# Altium PCB SVEC.pcbdoc (part 14 of 18)
Units mil, origin at the board's own origin, x right, y up, seen from the top; angles counter-clockwise.
Board outline 6349.25 x 9237.04 mil, 10 copper layers (Top Layer, L2 GND, L3, L4 PWR3.3, L5, L6, L7 GND, L8, L9 PWR, Bottom Layer), stack 58.268 mil thick; 906 components, 904 nets, 4753 pads, 3116 vias.
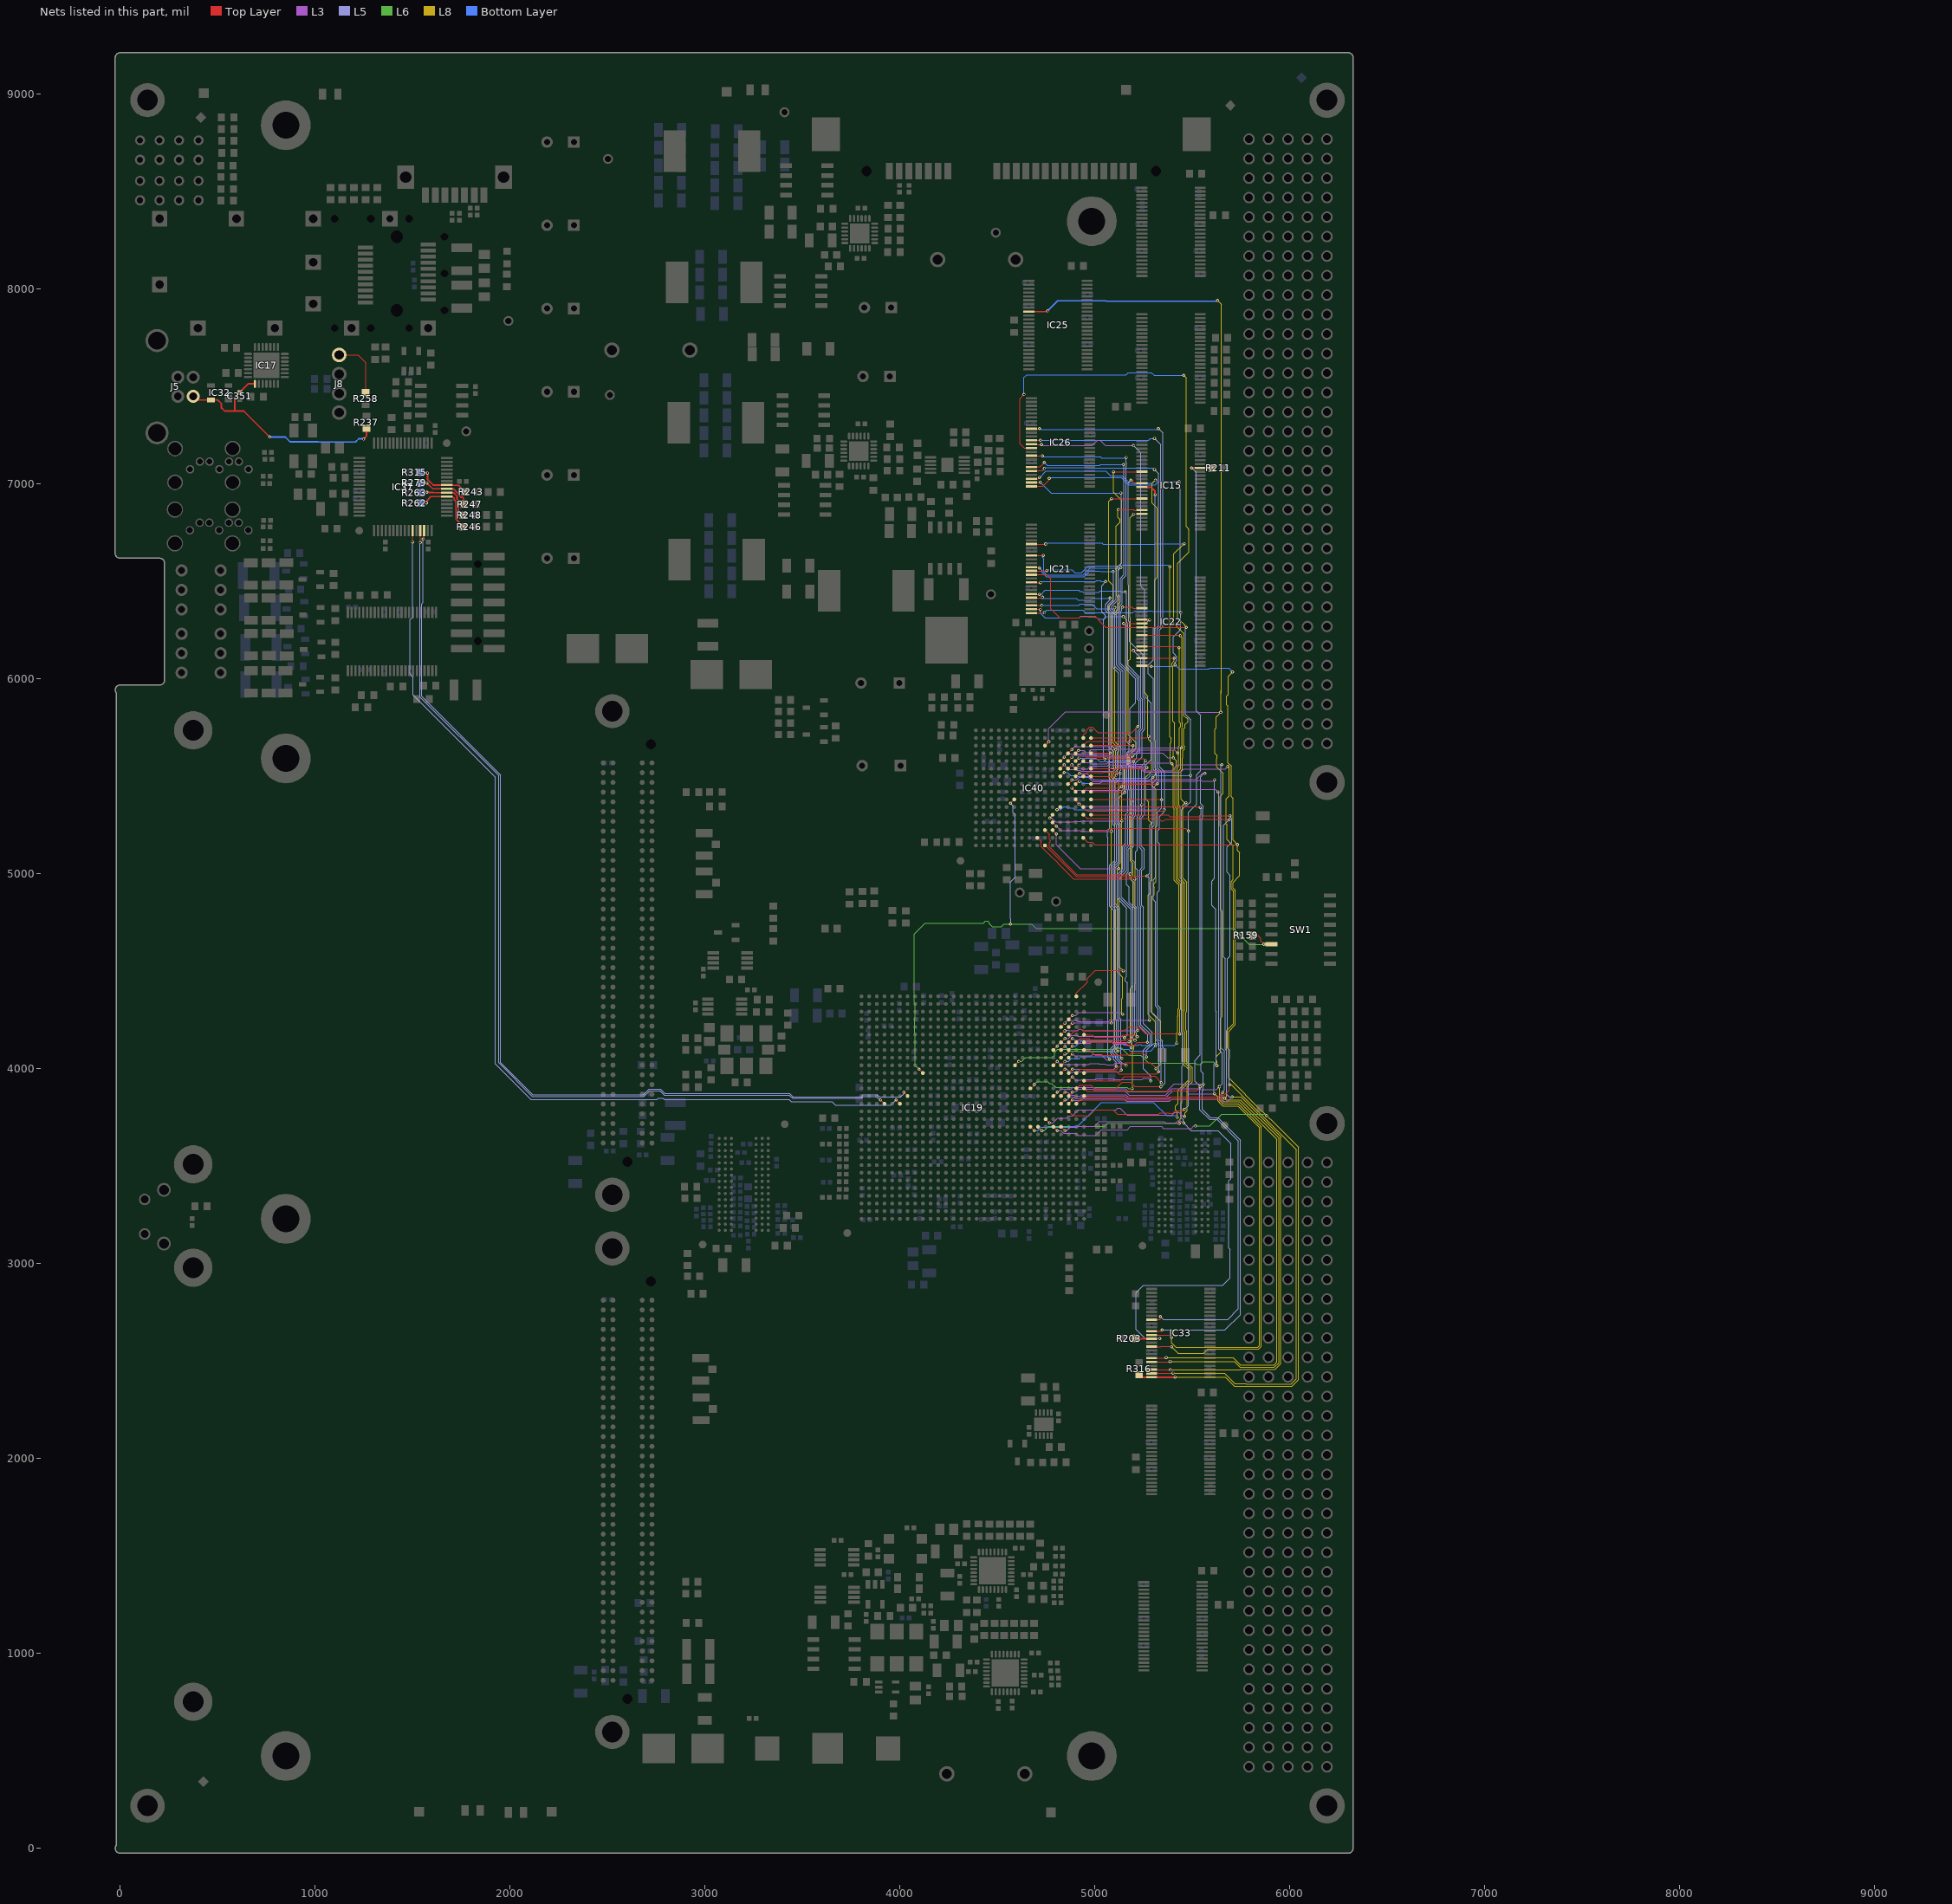
[diagram p22: the nets of this part, all layers, seen from the top]

## Via types
v1: diameter 15.75, hole 7.87, Top Layer to Bottom Layer, tented both sides, 2844 vias
v2: diameter 31.5, hole 15.75, Top Layer to Bottom Layer, tented both sides, 224 vias
v3: diameter 19.68, hole 7.87, Top Layer to Bottom Layer, tented both sides, 31 vias
v4: diameter 15.75, hole 7.87, Top Layer to Bottom Layer, 17 vias

## Nets (pads, with @x,y where several pads share a name; then routed paths per layer and width w, separated by ;. In a path a pad name is that pad's centre, name@x,y a point inside that pad or via, vN(x,y) a via of type N, cw(c..) or ccw(c..) an arc to the next point about the centre after c; other vN are vias at no path point) (continued)
USB_SIWUA: IC19.U24 IC37.30 | length 5117.8
  Top Layer w5: v1(1554.55,6717.51) 1555.55,6717.51 1559.25,6721.21 IC37.30@1559.25,6760.1 ; v1(4019.22,3879.25) IC19.U24@4038.91,3859.56
  L5 w4: v1(1554.55,6717.51) 1554.55,6391.83 1547.18,6384.46 1547.18,5910.65 1951.55,5506.28 1951.55,4031.88 2116.93,3866.51 2684.19,3866.51 2712.69,3895 2771.82,3895 2793.95,3872.87 3434.21,3872.87 3451.31,3855.77 3801.57,3855.77 3811.18,3865.38 3812.32,3866.51 3882.92,3866.51 3894.92,3854.51 4002.55,3854.51 4019.22,3871.17 v1(4019.22,3879.25)
USB_TCK: IC37.38 R246.1 R262.1 | length 362.3
  Top Layer w8: v1(1570.69,6902.64) 1570.69,6911.29 1594.69,6935.29 IC37.38@1675.4,6935.29 1703.87,6935.29 1713.92,6925.24 1713.92,6919.14 1723.34,6909.72 1723.34,6819.82 1759.06,6784.1 R246.1@1759.06,6779.51
  Bottom Layer w8: R262.1@1541.18,6901.64 1569.69,6901.64 1570.69,6900.64 v1(1570.69,6902.64)
USB_TDI: IC37.39 R248.1 R263.1 | length 306.8
  Top Layer w8: v1(1573.69,6956.64) 1604.03,6956.64 1605.69,6954.98 IC37.39@1675.4,6954.98 1711.08,6954.98 1728.34,6937.72 1728.34,6923.1 1736.34,6915.1 1736.34,6862.22 R248.1@1759.06,6839.51
  Bottom Layer w8: R263.1@1541.18,6954.64 1569.69,6954.64 1571.69,6956.64 v1(1573.69,6956.64)
USB_TDO: IC37.40 R247.1 R279.1 | length 287.6
  Top Layer w8: v1(1573.69,7004.64) 1603.66,6974.66 1614.69,6974.66 IC37.40@1675.4,6974.66 1709.78,6974.66 1742.34,6942.1 1742.34,6936.51 1747.03,6931.82 1755.51,6931.82 1762.34,6924.99 1762.34,6896.22 R247.1@1763.06,6895.51
  Bottom Layer w8: R279.1@1541.18,7005.64 1572.69,7005.64 v1(1573.69,7004.64)
USB_TMS: IC37.41 R243.1 R315.1 | length 286.9
  Top Layer w8: v1(1576.69,7055.64) 1576.69,7023.64 1579.81,7020.51 1580.26,7020.51 1589.56,7011.22 1589.56,7010.77 1605.98,6994.35 IC37.41@1675.4,6994.35 1677.44,6992.3 1735.26,6992.3 R243.1@1768.06,6959.51
  Bottom Layer w8: R315.1@1541.18,7058.64 1573.69,7058.64 v1(1576.69,7055.64)
USB_TXE_N: IC19.T25 IC37.27 | length 5108.3
  Top Layer w5: v1(1499.55,6702.51) 1500.2,6703.15 IC37.27@1500.2,6760.1 ; v1(3979.85,3839.88) IC19.T25@3999.54,3820.19
  L5 w4: v1(1499.55,6702.51) 1499.55,6315.83 1487.18,6303.46 1487.18,6024.21 1502.93,6008.46 1502.93,5916.72 1924.55,5495.09 1924.55,4024.94 2107.1,3842.39 2753.14,3842.39 2759.63,3848.87 2784.37,3848.87 2790.86,3842.39 3430.75,3842.39 3441.37,3831.77 3652.18,3831.77 3669.94,3814 3953.97,3814 v1(3979.85,3839.88)
USB_VBUS: C351.1 IC17.8 IC32.4 J5.1 R237.1 | length 1256.2
  Top Layer w8: J5.1@374.92,7449.29 393.98,7430.24 IC32.4@465.41,7430.24 501.09,7430.24 519.69,7411.64 519.69,7389.64 535.69,7373.64 586.69,7373.64 ; IC17.8@691.63,7513.15 656.2,7513.15 613.69,7470.64 C351.1@613.69,7467.36 613.4,7467.36 587.69,7441.65 587.69,7374.64 586.69,7373.64 ; v1(767.55,7240.51) 634.42,7373.64 586.69,7373.64 ; v1(1248.55,7229.51) 1263.55,7244.51 R237.1@1263.55,7284.01
  Bottom Layer w8: v1(767.55,7240.51) 847.82,7240.51 872.69,7215.64 1014.69,7215.64 1015.69,7214.64 1206.82,7214.64 1223.69,7231.51 1246.55,7231.51 v1(1248.55,7229.51)
USB_VBUS_INT: J8.4 R258.1 | length 304.9
  Top Layer w5: J8.4@1123.69,7661.28 1220.05,7661.28 1259.69,7621.64 R258.1@1259.69,7469.14
USB_WR_N: IC19.T27 IC37.29 | length 4996.1
  Top Layer w5: v1(1539.55,6698.51) IC37.29@1539.57,6760.1 ; v1(3901.11,3839.88) IC19.T27@3920.8,3820.19
  L5 w4: v1(1539.55,6698.51) 1538.18,6697.13 1538.18,5906.92 1941.55,5503.55 1941.55,4030.56 2113.61,3858.51 2687.51,3858.51 2716,3887 2768.51,3887 2790.63,3864.87 3430.89,3864.87 3448,3847.77 3804.88,3847.77 3814.49,3857.38 3815.63,3858.51 3879.61,3858.51 3898.24,3839.88 v1(3901.11,3839.88)
USEGA: IC19.Y22 IC40.G11 R159.1 SW1.6 | length 3412.5
  Top Layer w5: v1(4097.96,3997.36) IC19.Y22@4117.65,3977.67 ; v1(4566.44,5361.76) IC40.G11@4586.13,5381.45 ; R159.1@5807.05,4683.51 5834.55,4683.51 5850.55,4667.51 5850.55,4654.51 v1(5866.55,4638.51) SW1.6@5905.95,4638.51
  L6 w4: v1(4097.96,3997.36) 4078.55,4016.77 4078.55,4182.68 4076.09,4185.15 4076.09,4259.46 4078.3,4261.67 4078.3,4335.82 4072.68,4341.45 4072.68,4689.63 4129.68,4746.63 4428.06,4746.63 4438.81,4757.38 4450.3,4757.38 4458.43,4749.25 4458.43,4743.63 4474.43,4727.63 4520.3,4727.63 4534.17,4741.51 v1(4566.55,4741.51) 4674.55,4741.51 4697.55,4718.51 5711.55,4718.51 5791.55,4638.51 v1(5866.55,4638.51)
  L5 w4: v1(4566.55,4741.51) 4568.43,4743.38 4568.43,4768.25 4567.68,4769 4567.68,4957.63 4590.95,4980.9 4590.95,5303.11 4580.82,5313.24 4580.82,5317.51
  L5 w5: v1(4566.44,5361.76) 4580.82,5347.39 4580.82,5317.51
VME_A1: IC19.AE3 IC22.22 IC40.M4 | length 3307.8
  Top Layer w5: IC40.M4@4861.72,5578.3 v1(4881.41,5597.99) ; IC19.AE3@4865.68,4174.52 4877.57,4174.52 4897.55,4194.51 4911.23,4194.51 4918.73,4202.01 4930.64,4202.01 4938.15,4194.51 5151.67,4194.51 5170.04,4212.88 5226.92,4212.88 5260.92,4178.88 v1@5434.93,4178.88 ; IC22.22@5240.95,6106.5 v1(5406.55,6106.51)
  L3 w4: 4888.19,5602.98 4892.59,5607.38 4924.3,5607.38 4927.8,5603.88 5056.92,5603.88 5066.67,5594.13 5161.44,5594.13 5187.19,5619.88 5347.18,5619.88 5372.55,5594.51 v1(5402.55,5594.51)
  L8 w4: v1@5407.7,6105.36 5407.7,6092.39 5395.18,6079.87 5395.18,6067.14 5400.55,6061.76 5400.55,5781 5409.18,5772.37 5409.18,5640.13 5402.55,5633.51 v1(5402.55,5594.51) 5418.55,5578.51 5418.55,5554.65 5411.18,5547.27 5411.18,5341.57 5417.18,5335.57 5417.18,4969.32 5440.93,4945.58 5440.93,4307.02 5435.93,4302.02 5435.93,4266.85 5434.93,4265.85 5434.93,4178.88 v1(5435.93,4177.88)
VME_A2: IC19.AE1 IC22.20 IC40.M3 | length 2698.4
  Top Layer w5: IC40.M3@4901.09,5578.3 4903.35,5578.3 v1(4918.55,5593.51) ; IC19.AE1@4944.42,4174.52 4946.62,4172.32 4986.86,4172.32 4996.86,4162.32 5133.63,4162.32 5145.19,4173.88 5207.18,4173.88 v1(5216.55,4164.51) ; v1@5203.92,6145.87 IC22.20@5240.95,6145.87
  L5 w5: v1(5196.55,6145.51) 5236.55,6105.51 5236.55,5902.55 5244.93,5894.18 5244.93,5745 5231.18,5731.25 5231.18,5626.87 5214.18,5609.87 5214.18,5592.42 5199.93,5578.16 5199.93,5304.47 5188.18,5292.73 5188.18,5144.14 5171.18,5127.14 5171.18,5009.46 5161.18,4999.46 5161.18,4944.21 5174.93,4930.46 5174.93,4852.36 5205.93,4821.36 5205.93,4435.64 5205.18,4434.89 5205.18,4191.14 5212.55,4183.76 5212.55,4166.51 5214.55,4164.51 v1(5216.55,4164.51)
  Bottom Layer w5: v1(4918.55,5593.51) 5005.55,5593.51 5024.93,5574.13 5089.18,5574.13 5093.55,5578.51 5196.55,5578.51 5197.55,5577.51 v1(5197.55,5575.51)
VME_A3: IC19.N8 IC22.19 IC40.M5 | length 4153.8
  Top Layer w5: IC19.N8@4668.83,3702.08 v1(4688.51,3682.4) ; IC40.M5@4822.35,5578.3 v1(4842.04,5597.99) ; IC22.19@5240.95,6165.55 5424.51,6165.55
  L3 w4: v1(4842.04,5597.99) 4859.43,5615.38 4947.65,5615.38 4949.15,5613.88 ; 4950.05,5612.98 5064.33,5612.98 5073.19,5604.13 5157.3,5604.13 5183.04,5629.88 5230.44,5629.88 5235.81,5635.25 5409.81,5635.25 v1@5425.05,5620.01
  L8 w4: v1(5421.55,3751.51) 5421.55,3778.62 5412.18,3788 5412.18,3809.02 5425.55,3822.39 5425.55,3888.36 5478.93,3941.74 5478.93,3996.87 5451.3,4024.5 5451.3,4184.25 5445.93,4189.62 5445.93,4297.87 5450.93,4302.87 5450.93,4949.72 5427.18,4973.47 5427.18,5339.71 5421.18,5345.71 5421.18,5543.13 5428.55,5550.51 5428.55,5617.51 v1@5428.18,5617.88 ; v1@5428.18,5619.51 5428.18,5651.87 5432.55,5656.25 5432.55,5748.76 5439.93,5756.14 5439.93,5770 5432.55,5777.37 v1@5432.55,6157.51
  Bottom Layer w5: v1(4688.51,3682.4) 4706.14,3682.39 4723.63,3699.88 4907.56,3699.88 5034.18,3826.51 5300.55,3826.51 5368.18,3758.88 5412.18,3758.88 5421.55,3749.51 v1(5421.55,3751.51)
  other v1: 5424.55,5619.51 5430.55,6159.51
VME_A4: IC19.N7 IC22.16 IC40.N4 | length 4113.1
  Top Layer w5: IC19.N7@4708.2,3702.08 v1(4727.88,3682.4) ; IC40.N4@4861.72,5617.67 v1(4881.41,5637.36) ; IC22.16@5240.95,6224.61 v1@5438.35,6224.61
  L3 w4: v1(4881.41,5637.36) 4896.78,5652.73 5112.07,5652.73 5124.92,5639.88 5226.3,5639.88 5231.67,5645.25 5443.3,5645.25 v1(5444.55,5646.51)
  L6 w4: v1(4727.88,3682.4) 4740.44,3682.39 4761.55,3703.51 5048.81,3703.51 5064.19,3718.88 5431.93,3718.88 v1(5432.55,3719.51)
  L8 w4: v1(5432.55,3719.51) 5432.55,3735.36 5442.93,3745.74 5442.93,3891.6 5488.93,3937.6 5488.93,4001.02 5461.3,4028.64 5461.3,4188.39 5455.93,4193.76 5455.93,4293.73 5460.93,4298.73 5460.93,4953.86 5437.18,4977.61 5437.18,5343.85 5431.18,5349.85 5431.18,5530.65 5439.18,5538.65 5439.18,5597.02 5440.71,5598.54 5440.71,5642.66 v1(5444.55,5646.51) ; v1@5442.55,5645.51 5445.93,5648.88 5445.93,5748 5449.93,5752 5449.93,5774.14 5445.55,5778.51 5445.55,5791.25 5445.93,5791.62 5445.93,6214.13 v1@5442.55,6217.51
  other v1: 5438.35,6221.71
VME_A5: IC19.AC5 IC22.13 IC40.R2 | length 3173.5
  Top Layer w5: IC19.AC5@4786.94,4095.78 v1(4806.62,4115.47) 4806.55,4115.54 v1@4806.55,4117.51 ; IC40.R2@4940.46,5696.41 4940.46,5711.26 4957.8,5728.6 4957.8,5738.28 4972.65,5753.12 4987.01,5753.12 5015.63,5724.51 5188.55,5724.51 v1(5219.55,5755.51) ; v1(5147.55,6283.51) 5240.79,6283.51 IC22.13@5240.95,6283.66
  L3 w4: v1@4806.55,4117.51 4818.89,4129.84 4975.55,4129.84 4983.08,4137.38 5087.3,4137.38 5098.8,4125.88 5158.17,4125.88 5163.54,4120.51 5172.55,4120.51 v1(5186.55,4106.51) ; 4854.74,4130.46 4878.62,4130.46
  L5 w5: v1(5147.55,6283.51) 5158.18,6272.88 5158.18,6066.07 5218.55,6005.7 5218.55,5895.1 5225.93,5887.72 5225.93,5761.88 v1(5219.55,5755.51) ; v1(5186.55,4106.51) 5189.93,4109.88 5189.93,4143.87 5186.93,4146.87 5186.93,4814.9 5125.18,4876.65 5125.18,4993.16 5151.18,5019.16 5151.18,5135.43 5168.18,5152.43 5168.18,5301.01 5178.93,5311.76 5178.93,5428.91 5174.18,5433.66 5174.18,5606.87 5211.18,5643.87 5211.18,5746.51 v1@5220.18,5755.51
VME_A6: IC19.AC4 IC22.12 IC40.R1 | length 3132.7
  Top Layer w5: IC19.AC4@4826.31,4095.78 v1(4846,4115.47) ; IC40.R1@4979.83,5696.41 5266.46,5696.41 v1(5274.55,5704.51) ; IC22.12@5239.79,6304.51 IC22.12@5240.95,6303.35 5241.79,6302.51 v1@5277.55,6302.51
  L8 w4: v1@5277.55,6302.51 5255.18,6280.13 5255.18,6196.02 5252.58,6193.42 5252.58,5930.5 5271.93,5911.16 5271.93,5701.88 v1(5274.55,5704.51) 5274.55,5687.51 5290.93,5671.13 5290.93,5524.76 5260.55,5494.39 5260.55,5383.53 5275.93,5368.16 5275.93,5274.87 5292.55,5258.25 5292.55,4967.53 5281.18,4956.16 5281.18,4924.76 5283.93,4922.02 5283.93,4901 5274.18,4891.25 5274.18,4276.62 5311.55,4239.25 v1(5311.55,4116.51)
  Bottom Layer w5: v1(4846,4115.47) 4862.58,4098.88 4872.88,4098.88 4873.47,4099.47 4931.52,4099.47 4940.66,4090.32 5088.63,4090.32 5104.19,4105.88 5123.92,4105.88 5130.92,4098.88 5172.44,4098.88 5180.19,4091.13 5286.18,4091.13 v1(5311.55,4116.51)
  other v1: 5280.69,6302.64
VME_A7: IC19.AD4 IC22.9 IC40.P2 | length 3018
  Top Layer w5: IC19.AD4@4826.31,4135.15 v1(4846,4154.84) ; IC40.P2@4940.46,5657.04 4962.49,5679.07 v1@5179.12,5679.07 ; v1(5142.55,6367.51) 5190.45,6367.51 5195.55,6362.4 IC22.9@5240.95,6362.4 IC22.9@5239.85,6363.51
  L3 w4: v1(4846,4154.84) 4863.62,4154.84 4879,4170.21 4908.04,4170.21 4912.49,4165.77 4933.75,4165.77 4934.61,4166.63 5143.43,4166.63 v1(5151.55,4158.51)
  L5 w5: v1(5142.55,6367.51) 5136.93,6361.88 5136.93,6350.85 5130.18,6344.11 5130.18,6079.93 5209.55,6000.56 5209.55,5877.83 5180.55,5848.83 v1(5180.55,5680.51) 5174.93,5674.88 5174.93,5631.91 5165.18,5622.16 5165.18,5429.93 5168.93,5426.18 5168.93,5315.9 5158.18,5305.15 5158.18,5156.57 5141.18,5139.57 5141.18,5023.3 5115.18,4997.3 5115.18,4872.51 5163.18,4824.51 5163.18,4471.87 5155.18,4463.87 5155.18,4451.14 5165.93,4440.39 5165.93,4172.88 v1(5151.55,4158.51)
VME_A8: IC19.AD3 IC21.23 IC40.P1 | length 3311.6
  Top Layer w5: IC21.23@4673.95,6356.81 v1@4718.86,6356.81 ; IC19.AD3@4865.68,4135.15 v1(4885.37,4154.84) ; IC40.P1@4979.83,5657.74 IC40.P1@4979.83,5657.04 4981.29,5658.51 v1@5194.55,5658.51
  L3 w4: v1(4885.37,4154.84) 4894.82,4145.38 5090.61,4145.38 5100.11,4135.88 5172.93,4135.88 v1(5174.55,4137.51)
  L8 w4: v1(5145.55,6318.51) 5162.93,6301.13 5162.93,6277.14 5162.18,6276.39 5162.18,5677.14 5181.81,5657.51 v1(5195.55,5657.51) 5195.55,5642.39 5168.18,5615.02 5168.18,5559.93 5189.55,5538.56 5189.55,5380.82 5182.18,5373.44 5182.18,5066.31 5195.93,5052.56 5195.93,4992.14 5188.18,4984.39 5188.18,4966.62 5195.93,4958.87 5195.93,4426.01 5181.37,4411.45 5181.37,4144.32 v1(5174.55,4137.51)
  Bottom Layer w5: v1@4718.69,6355.64 4720.69,6353.64 4720.69,6336.63 4744.19,6313.13 4920.51,6313.13 4928.51,6321.13 4962.32,6321.13 4964.95,6318.51 5002.23,6318.51 5005.18,6315.55 5005.18,6314.55 5006.85,6312.88 5012.51,6312.88 5020.26,6305.13 5045.51,6305.13 5058.88,6318.51 v1(5145.55,6318.51)
  other v1: 4720.55,6355.51
VME_A9: IC19.AB4 IC21.22 IC40.N3 | length 3289.2
  Top Layer w5: IC21.22@4673.95,6376.5 v1(4727.55,6376.51) ; IC19.AB4@4826.31,4056.41 v1(4846,4076.1) 4845.55,4076.54 v1@4845.55,4077.51 ; IC40.N3@4901.09,5617.67 v1(4915.55,5632.14)
  L3 w4: v1(4915.55,5632.14) 4944.33,5632.14 4953.98,5622.48 4966.31,5622.48 4980.33,5636.51 v1(5106.55,5636.51)
  L6 w4: v1@4845.55,4077.51 4857.69,4077.51 4870.15,4089.97 4908.6,4089.97 4909.69,4088.88 5115.93,4088.88 v1(5117.55,4090.51)
  L8 w4: v1(5101.55,6365.51) 5102.18,6364.88 5102.18,6353.44 5082.18,6333.44 5082.18,5658.94 5105.93,5635.19 5105.93,5538.14 5084.18,5516.39 5084.18,5495 5102.18,5477 5102.18,4105.88 v1(5117.55,4090.51)
  Bottom Layer w5: v1(4727.55,6376.51) 4916.81,6376.51 4924.19,6383.88 4983.44,6383.88 5008.77,6358.55 5094.6,6358.55 v1(5101.55,6365.51)
VME_A10: IC19.AB3 IC21.20 IC40.N1 | length 3174.9
  Top Layer w5: IC21.20@4673.95,6415.87 4727.92,6415.87 v1(4730.55,6418.51) ; IC19.AB3@4865.68,4056.41 v1(4885.37,4076.1) 4885.55,4075.91 v1@4885.55,4073.51 ; IC40.N1@4979.83,5617.67 4981.66,5619.51 v1(5079.55,5619.51)
  L3 w4: v1@4885.55,4073.51 4885.55,4075.91 4895.58,4065.88 4982.87,4065.88 4989.5,4072.51 5032.7,4072.51 5060.7,4044.51 5079.55,4044.51 v1(5075.55,4048.51)
  L5 w5: v1(5075.55,4048.51) 5066.93,4057.13 5066.93,5183.44 5065.18,5185.19 5065.18,5221.87 5075.18,5231.87 5075.18,5615.13 v1(5079.55,5619.51) 5072.93,5626.13 5072.93,6331.92 5056.18,6348.66 5056.18,6384.3 5077.55,6405.67 v1(5077.55,6414.51)
  Bottom Layer w5: v1(4730.55,6418.51) 4725.55,6413.51 4903.81,6413.51 4914.19,6403.13 4978.55,6403.13 4988.55,6413.13 5078.93,6413.13 v1(5077.55,6414.51)
VME_A11: IC19.AD2 IC21.19 IC40.M2 | length 3472.5
  Top Layer w5: IC21.19@4673.95,6435.55 4676,6433.51 v1(4715.55,6433.51) ; IC19.AD2@4905.05,4135.15 4924.74,4154.84 4968.55,4154.84 4976.51,4146.88 5091.24,4146.88 5094.98,4143.13 5158.44,4143.13 5168.19,4152.88 5198.18,4152.88 v1(5205.55,4145.51) ; IC40.M2@4940.46,5578.3 4960.66,5598.51 5038.81,5598.51 5044.19,5603.88 5182.55,5603.88 5183.18,5604.51 v1(5193.55,5604.51)
  L5 w5: v1(5155.55,6445.51) 5163.18,6437.88 5163.18,6289.85 5168.18,6284.85 5168.18,6070.22 5227.55,6010.84 5227.55,5898.82 5234.93,5891.45 5234.93,5749.14 5221.18,5735.39 5221.18,5631.02 v1@5199.42,5609.26 ; v1@5191.34,5600.04 5183.18,5591.88 5183.18,5437.39 5189.93,5430.64 5189.93,5308.62 5178.18,5296.87 5178.18,5148.29 5161.18,5131.29 5161.18,5015.02 5135.18,4989.02 5135.18,4879.38 5195.93,4818.63 5195.93,4153.13 5203.55,4145.51 v1(5205.55,4145.51)
  Bottom Layer w5: 4723.81,6433.51 4744.19,6453.88 4916.92,6453.88 4922.3,6448.51 4935.82,6448.51 4938.53,6445.8 ; 4939.14,6445.8 4941.06,6443.88 5020.55,6443.88 5026.55,6449.88 5131.18,6449.88 5135.55,6445.51 v1(5155.55,6445.51)
VME_A12: IC19.AD1 IC21.16 IC40.M1 | length 3447.6
  Top Layer w5: IC21.16@4673.95,6494.61 4675.05,6493.51 v1(4720.55,6493.51) ; IC19.AD1@4944.42,4135.15 4947.15,4137.88 5087.51,4137.88 5094.7,4130.69 5159.63,4130.69 5168.19,4122.13 5203.92,4122.13 5217.67,4135.88 5268.18,4135.88 v1(5268.55,4135.51) ; IC40.M1@4979.83,5578.3 4990.03,5588.51 v1(5050.55,5588.51) 5051.93,5589.88 5251.18,5589.88 v1(5260.55,5580.51)
  L5 w5: v1(5050.55,5588.51) 5044.93,5594.13 5044.93,6304.55 5053.93,6313.55 5053.93,6325.46 5035.18,6344.21 5035.18,6478.13 v1(5055.55,6498.51) ; v1(5260.55,5580.51) 5260.55,5583.51 5255.13,5578.08 5255.13,5568.96 5225.18,5539.02 5225.18,5301.44 5218.18,5294.44 5218.18,5122.87 5208.18,5112.87 5208.18,5029.03 5220.93,5016.28 5220.93,4831.81 5225.93,4826.81 5225.93,4220.13 5270.93,4175.13 5270.93,4137.88 v1(5268.55,4135.51)
  Bottom Layer w5: v1(4720.55,6493.51) 4725.55,6498.51 5003.81,6498.51 5009.19,6503.88 5025.55,6503.88 5030.93,6498.51 v1(5055.55,6498.51)
VME_A13: IC19.AC3 IC21.13 IC40.L3 | length 4318.9
  Top Layer w5: IC21.13@4673.95,6553.66 4674.48,6553.13 v1@4751.18,6553.13 ; IC19.AC3@4865.68,4095.78 v1@4884.98,4115.08 ; IC40.L3@4901.09,5538.93 v1(4918.55,5556.4)
  L3 w4: v1(4918.55,5556.4) 4932.04,5569.88 4972.81,5569.88 4978.55,5564.13 ; 4978.55,5563.13 5061.06,5563.13 5067.81,5569.88 5183.56,5569.88 5191.81,5561.63 5263.42,5561.63 5269.92,5568.13 v1@5390.93,5568.13
  L5 w5: v1@5393.55,5565.51 v1(5395.55,5563.51)
  L8 w4: v1(5383.55,6574.51) 5385.18,6572.88 5385.18,5701.76 5391.93,5695.02 5391.93,5674 5386.55,5668.62 5386.55,5572.51 v1(5395.55,5563.51) 5401.18,5557.88 5401.18,5337.43 5407.18,5331.43 5407.18,4965.18 5430.93,4941.43 5430.93,4311.16 5425.93,4306.16 5425.93,4271 5424.93,4270 5424.93,4188.62 5420.55,4184.25 v1(5420.55,4131.51)
  Bottom Layer w5: v1@4756.55,6558.51 4882.81,6558.51 4898.19,6543.13 4931.92,6543.13 4967.67,6578.88 5121.19,6578.88 5127.19,6584.88 5373.18,6584.88 v1(5383.55,6574.51) ; v1@4885.55,4114.51 4902.03,4114.51 4930.22,4142.69 5082.7,4142.69 5094.55,4130.84 5140.48,4130.84 5149.44,4121.88 5192.92,4121.88 ; 5194.67,4120.13 5220.85,4120.13 5224.6,4123.88 5236.51,4123.88 5240.26,4120.13 5293.44,4120.13 5305.19,4131.88 5317.92,4131.88 5329.67,4120.13 5409.18,4120.13 v1(5420.55,4131.51)
  other v1: 4885.37,4115.47 4753.55,6555.51
VME_A14: IC19.AC1 IC21.12 IC40.L1 | length 3638.2
  Top Layer w5: IC21.12@4673.95,6573.35 4674.11,6573.51 v1@4710.55,6573.51 ; IC19.AC1@4944.42,4095.78 4974.2,4095.78 5000.66,4069.32 5134.04,4069.32 5135.23,4070.51 5177.18,4070.51 5185.55,4078.88 5246.18,4078.88 v1(5264.55,4060.51) ; IC40.L1@4979.83,5538.93 4980.26,5538.51 v1@5090.55,5538.51 ; 5096.55,5538.93 v1@5260.98,5538.93
  L5 w5: v1@5094.93,5544.51 5094.93,5626.39 5091.18,5630.14 5091.18,5633.64 5085.18,5639.64 5085.18,6332.39 5066.18,6351.39 5066.18,6380.16 5094.93,6408.91 v1@5094.93,6548.13 ; v1(5264.55,4060.51) 5264.55,4095.62 5293.93,4125 5293.93,4186.13 5249.55,4230.51 5249.55,4828.64 5240.93,4837.27 5240.93,5016.28 5252.93,5028.28 5252.93,5127.16 5238.18,5141.91 5238.18,5286.16 5255.93,5303.91 5255.93,5533.88 v1@5265.18,5543.13 ; v1@5265.18,5543.51 v1@5265.18,5543.13 ; v1(5265.55,5543.51) v1@5265.18,5543.13
  Bottom Layer w5: v1(4715.55,6568.51) 4728.18,6555.88 4728.18,6545 4750.04,6523.13 4943.46,6523.13 4972.38,6552.05 5027.55,6552.05 5030.1,6549.51 v1(5093.55,6549.51)
  other v1: 5090.55,5544.51
VME_A15: IC19.Y4 IC21.9 IC40.K2 | length 3773.9
  Top Layer w5: IC21.9@4673.95,6632.4 4734.45,6632.4 v1(4735.55,6633.51) ; IC19.Y4@4826.31,3977.67 4845.55,3996.92 v1@4845.55,3995.51 ; IC40.K2@4940.46,5499.56 4959.4,5518.51 5041.55,5518.51 5043.93,5520.88 5124.18,5520.88 v1(5129.55,5515.51)
  L3 w5: v1(4846,3997.36) 4854.97,3997.36 4869.35,3982.98 4891.32,3982.98 4892.47,3984.13 5126.18,3984.13 v1(5134.69,3992.64)
  L5 w5: v1(5133.55,6569.51) 5120.18,6556.13 5120.18,6405.87 5086.18,6371.87 5086.18,6359.14 5103.18,6342.14 5103.18,6064.51 5133.55,6034.13 5133.55,5533.51 5129.55,5529.51 v1(5129.55,5515.51) 5129.55,5489.51 5103.69,5463.64 5103.69,5256.64 5110.69,5249.64 5110.69,5064.64 5085.69,5039.64 5085.69,4836.64 5106.69,4815.64 5106.69,4253.64 5110.69,4249.64 5110.69,4119.58 5091.69,4100.58 5091.69,4079.64 5105.69,4065.64 5105.69,4050.64 5134.69,4021.64 v1(5134.69,3992.64)
  Bottom Layer w5: v1(4735.55,6633.51) 4730.55,6628.51 4730.55,6623.51 4738.18,6615.88 4738.18,6549.14 4754.19,6533.13 4939.32,6533.13 4975.07,6568.88 5132.93,6568.88 v1(5133.55,6569.51)
VME_A16: IC19.Y3 IC26.23 IC40.K1 | length 3923
  Top Layer w5: IC26.23@4673.95,7006.81 4675.64,7008.51 v1(4720.55,7008.51) ; IC19.Y3@4865.68,3977.67 4885.55,3997.55 v1@4885.55,3999.51 ; IC40.K1@4979.83,5499.56 5103.61,5499.56 v1(5109.55,5505.51)
  L3 w4: v1@4885.55,3999.51 4885.55,3997.55 4885.51,3997.51 4943.84,3997.51 4945.21,3996.13 5095.18,3996.13 5110.55,4011.51 v1(5108.55,4013.51)
  L5 w5: v1@5110.55,4011.51 v1(5108.55,4013.51) 5108.55,4033.48 5095.18,4046.85 5095.18,4062.85 5082.18,4075.85 5082.18,4103.8 5099.93,4121.55 5099.93,4240.87 5097.18,4243.62 5097.18,4811.51 5075.93,4832.76 5075.93,5044.05 5101.18,5069.3 5101.18,5243.71 5093.18,5251.71 5093.18,5489.13 5115.18,5511.13 5115.18,5623.39 5121.93,5630.14 5121.93,6028.76 5094.18,6056.51 5094.18,6337 5076.18,6355 5076.18,6376.02 5109.55,6409.39 5109.55,6567.25 5135.93,6593.62 5135.93,6950.13 v1(5132.55,6953.51)